# KiCad board ZVE.kicad_pcb (continued)
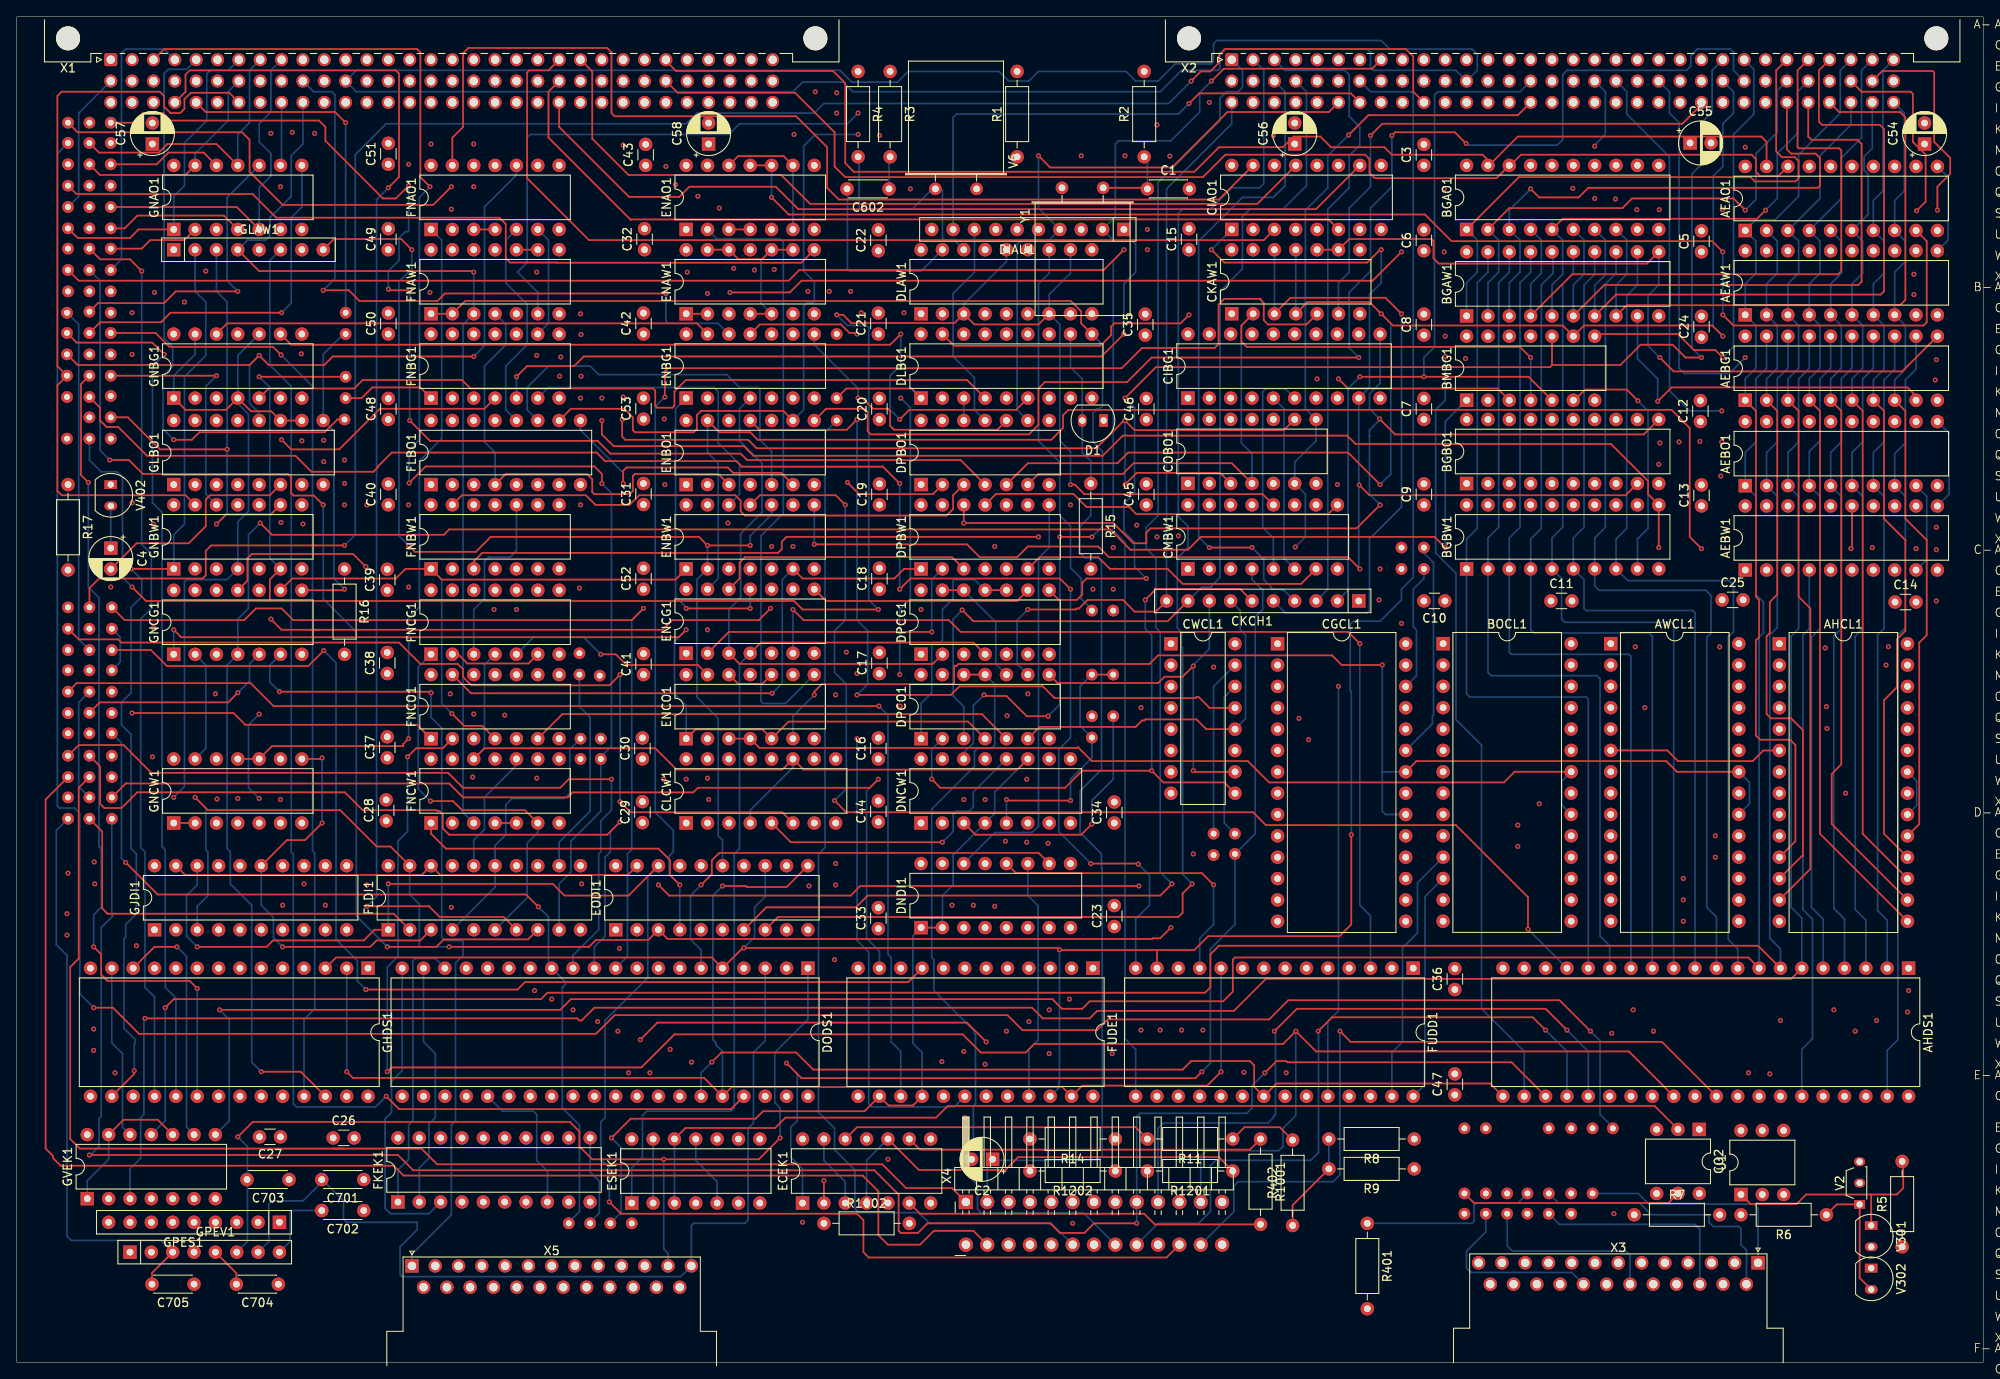
[diagram p0: board, top side]
## Routing (per net, layer and track width the routed paths; a pad name or vN(x,y) marks a point on that pad's centre or on a via; arc(x,y) is an arc through that point) (continued)
ALE: length 266.2
  Top w0.2: v1(38.99,91.96) 38.86,91.83 GNCG1.8 ; v1(195.33,96.91) BGBW1.11 194.06,103.26 194.06,104.82 189.64,109.23 159.26,109.23 158.26,110.23 131.57,110.23 129.18,107.83 87.63,107.83 86.49,108.98 70.99,108.98 69.6,110.37 v1(69.6,112.02)
  In1.Cu w0.2: FNAW1.5 60.71,123.45 60.71,114.06 61.34,113.42 68.2,113.42 v1(69.6,112.02)
  In4.Cu w0.2: v1(195.33,96.91) 197.49,96.91 198.88,95.51 201.68,95.51 202.95,96.78 215.52,96.78 217.93,99.2 225.81,99.2 AEBW1.11 ; FNAW1.5 58.29,123.58 40.39,123.58 X741.1
  Bottom w0.2: AEBO1.11 229.87,110.5 229.87,103.26 AEBW1.11 ; 38.86,122.31 36.45,119.9 GLBO1.9 37.72,110.75 37.72,93.23 v1(38.99,91.96)
ALE-X1: length 41.4
  Top w0.2: X1.c5 22.48,148.73 37.85,148.73 v1(39.12,147.46)
  Bottom w0.2: X740.1 v1(39.12,147.46)
BRK-INTR: length 203.4
  In1.Cu w0.2: v1(9.14,39.63) 7.49,41.28 7.49,59.57 4.83,62.24 4.83,108.72 X848.1
  In4.Cu w0.2: v1(9.14,39.63) 21.34,39.63 23.24,37.73 34.54,37.73 36.58,35.7 76.07,35.7 77.34,34.43 92.84,34.43 94.11,35.7 106.55,35.7 107.82,34.43 117.86,34.43 119.13,33.16 134.11,33.16 FUDD1.16
C-PCI: length 133
  In1.Cu w0.2: FUDD1.20 144.78,32.65 144.78,41.41 141.99,44.21 141.99,51.44 143.64,53.1 143.64,64.78 139.45,68.97 134.37,68.97 133.73,69.61 v1(133.73,77.86) ; DLBG1.2 108.84,113.42 101.6,113.42 101.22,113.04 101.22,110.75 99.95,109.48 v1(99.95,81.92)
  In4.Cu w0.2: v1(133.73,77.86) 130.3,77.86 129.67,78.5 121.92,78.5 121.54,78.11 119.13,78.11 118.62,78.62 116.33,78.62 115.82,78.11 107.32,78.11 104.65,80.78 101.73,80.78 100.58,81.92 v1(99.95,81.92)
CLK-TEST: length 84.7
  In1.Cu w0.2: v1(135.64,147.2) 128.65,147.2 127.89,146.44 127.89,134.08 129.29,132.68 129.29,114.18 128.14,113.04 128.14,109.36 129.29,108.21 129.29,91.32 130.43,90.18 S1X1.1
  In4.Cu w0.2: v1(135.64,147.2) 149.48,147.2 X2.c4
CSYN: length 124.1
  Bottom w0.2: X4.a6 123.06,16.52 108.58,16.52 107.32,17.79 100.2,17.79 99.7,18.3 99.7,22.87 97.28,25.28 97.28,27.82 95.38,29.73 95.38,60.46 96.14,61.22 96.14,110.63 X728.1
D: length 723.1
  In1.Cu w1: X2.c12 X2.b12 ; v1(130.3,36.71) 130.3,30.62 132.46,28.46 132.46,24.77 R1201.2 ; v1(164.72,87.89) X718.1 ; v1(103.63,24.14) ECEK1.5
  In4.Cu w1: X1.c12 X1.b12 ; 232.03,87.89 232.03,144.41 228.98,144.41 228.98,149.49 225.17,149.49 225.17,147.33 172.47,147.33 X2.c12 ; 232.03,87.89 v1(164.72,87.89) ; 232.03,87.89 232.03,36.71 v1(130.3,36.71) ; R1201.2 R1202.1 128.65,24.77 118.24,24.77 118.24,26.55 111.25,26.55 111.25,24.14 v1(103.63,24.14) 83.31,24.14 ESEK1.10
  Bottom w0.2: 116.84,153.55 117.98,152.41 120.4,152.41 121.54,153.55 131.95,153.55 133.1,152.41 135.76,152.41 137.8,154.44 142.11,154.44 142.37,154.7 142.37,156.85 142.75,157.24 162.31,157.24 163.32,156.22 173.1,156.22 173.74,155.58 173.74,153.68 X2.b12 171.2,153.68 161.42,153.68 161.04,154.06 161.04,155.84 160.65,156.22 143.64,156.22 143.13,155.71 143.13,153.93 142.88,153.68 138.56,153.68 136.02,151.14 99.44,151.14 98.3,152.28 93.47,152.28 92.33,151.14 40.39,151.14 X1.b12 40.39,153.68 97.92,153.68 99.31,152.28 104.77,152.28 106.05,153.55 116.84,153.55
DB0: length 356.1
  Top w0.2: X2.a27 209.3,153.68 209.3,144.03 209.97,143.35 211.5,143.35 211.96,142.88 211.96,140.85 211.58,140.47 206.76,140.47 206.25,140.98 178.69,140.98 BGAO1.1
  In1.Cu w0.2: BGAW1.1 169.29,124.47 168.49,123.66 168.49,61.27 BOCL1.11 ; v1(80.26,35.7) 80.26,35.82 78.87,34.43 DODS1.34 ; v1(111.25,54.37) 111.38,54.24 111.38,48.02 FUDE1.8 110.24,35.95 v1(110.05,35.76)
  In4.Cu w0.2: v1(110.05,35.76) 108.84,36.97 81.53,36.97 v1(80.26,35.7) 77.09,35.7 76.33,36.46 37.21,36.46 35.31,38.36 24.13,38.36 16.38,46.11 GHDS1.11 ; v1(111.25,54.37) 113.03,56.14 127.25,56.14 129.29,58.18 135.13,58.18 136.14,59.19 147.45,59.19 148.33,60.07 CGCL1.11 155.71,60.07 156.97,58.81 166.5,58.81 167.76,60.07 170.3,60.07
  Bottom w0.2: FUDD1.27 163.58,36.84 164.85,38.11 164.85,49.29 166.62,51.06 166.62,57.03 BOCL1.11 ; BGAW1.1 172.47,128.41 173.74,129.68 173.74,133.49 BGAO1.1
DB1: length 344.6
  Top w0.2: BGAO1.2 177.55,137.3 191.01,137.3 192.15,138.44 204.22,138.44 v1(205.61,137.04)
  In1.Cu w0.2: v1(112.65,36.97) 112.78,37.09 FUDE1.7 113.92,48.02 113.92,54.24 v1(113.79,54.37) ; DODS1.33 76.33,35.82 v1(77.72,37.22) ; v1(169.93,122.06) 171.07,120.91 171.07,118.88 169.93,117.74 169.93,98.94 171.2,97.67 171.2,59.06 BOCL1.12
  In4.Cu w0.2: 170.3,57.53 167.76,57.53 166.5,56.27 156.97,56.27 155.71,57.53 CGCL1.12 148.33,57.53 146.43,55.64 146.43,55.51 114.93,55.51 v1(113.79,54.37) ; v1(112.65,36.97) 111.38,38.24 78.61,38.24 77.85,37.47 77.85,37.35 v1(77.72,37.22) 37.85,37.22 36.19,38.87 24.89,38.87 18.92,44.84 GHDS1.10 ; v1(169.93,122.06) 171.2,123.33 173.86,123.33 BGAW1.2
  Bottom w0.2: BGAO1.2 176.28,133.49 176.28,129.68 175.01,128.41 BGAW1.2 ; BOCL1.12 167.51,55.38 167.51,33.03 FUDD1.28 ; v1(205.61,137.04) 206.88,138.31 206.88,143.77 209.42,146.31 209.42,151.27 X2.b27
DB2: length 331.4
  Top w0.2: X2.c27 210.57,144.28 211.07,143.77 214,143.77 214.5,143.27 214.5,139.96 214.25,139.71 186.94,139.71 185.8,138.57 181.1,138.57 v1(180.09,139.58) ; v1(74.17,38.36) 76.2,40.4 113.03,40.4 v1(115.32,38.11)
  In1.Cu w0.2: v1(116.33,54.24) 116.46,54.11 116.46,48.02 FUDE1.6 v1(115.32,38.11) ; DODS1.32 73.79,37.98 v1(74.17,38.36) ; FUDD1.1 166.12,51.44 BOCL1.13 173.74,59.06 173.74,97.8 171.37,100.17 171.37,117.06 171.2,117.23 171.2,117.48 172.34,118.63 v1(172.34,119.39)
  In4.Cu w0.2: GHDS1.9 28.83,39.51 36.83,39.51 37.97,38.36 v1(74.17,38.36) ; v1(116.33,54.24) 126.49,54.24 127.76,52.97 146.18,52.97 148.2,54.99 CGCL1.13 155.06,54.99 155.07,55 155.7,55 156.97,53.73 166.5,53.73 167.77,55 167.78,54.99 170.3,54.99 ; BGAW1.3 176.28,123.2 176.28,119.9 175.77,119.39 v1(172.34,119.39)
  Bottom w0.2: v1(180.09,139.58) 177.55,137.04 BGAO1.3 178.82,133.49 178.82,129.68 177.55,128.41 BGAW1.3
DB3: length 371.8
  Top w0.2: BGAW1.4 185.04,129.42 216.66,129.42 217.04,129.8 217.04,144.15 216.79,144.41 211.96,144.41 211.84,144.54 211.84,153.68 X2.a28
  In1.Cu w0.2: v1(117.73,39.38) 117.86,39.51 FUDE1.5 ; CGCL1.15 163.58,50.8 FUDD1.2 ; v1(195.33,106.82) 196.6,105.55 196.6,54.11 v1(198.25,52.46) ; DODS1.31 71.25,39.13 v1(71.5,39.38)
  In4.Cu w0.2: CGCL1.15 166.49,52.45 167.77,53.73 174.75,53.73 176.03,52.45 186.81,52.45 188.09,53.73 195.07,53.73 196.34,52.46 v1(198.25,52.46) ; v1(195.33,106.82) 194.06,108.09 194.06,115.33 193.68,115.71 181.74,115.71 181.36,116.09 181.36,123.2 BGAW1.4 ; FUDD1.2 160.02,43.32 128.4,43.32 127.89,42.81 127.89,40.27 127,39.38 v1(117.73,39.38) v1(71.5,39.38) 38.23,39.38 37.59,40.01 30.86,40.01 GHDS1.8
  Bottom w0.2: BGAO1.4 181.36,133.49 181.36,129.55 180.09,128.28 BGAW1.4
DB4: length 338.1
  Top w0.2: BGAO1.5 183.9,136.03 207.01,136.03 v1(208.03,137.04)
  In1.Cu w0.2: v1(69.09,40.52) 68.71,40.14 DODS1.30 ; CGCL1.16 164.07,54.99 FUDD1.5 ; v1(120.4,40.52) FUDE1.4 ; v1(195.45,109.36) 197.65,107.16 197.65,55.6 v1(198.25,55)
  In4.Cu w0.2: FUDD1.5 153.54,44.46 128.27,44.46 127.25,43.44 127.25,41.28 126.49,40.52 v1(120.4,40.52) v1(69.09,40.52) 32.89,40.52 GHDS1.7 ; BGAW1.5 183.77,123.33 183.77,117.36 184.15,116.98 196.21,116.98 196.43,116.77 196.43,110.33 v1(195.45,109.36) ; v1(198.25,55) 196.34,55 195.07,56.27 188.09,56.27 186.81,54.99 176.03,54.99 174.75,56.27 167.77,56.27 166.49,54.99 CGCL1.16
  Bottom w0.2: X2.b28 211.84,151.14 211.84,146.19 209.42,143.77 209.42,138.44 v1(208.03,137.04) ; BGAW1.5 182.63,128.15 183.9,129.42 183.9,133.49 BGAO1.5
DB5: length 349.7
  Top w0.2: X2.c28 213.11,145.81 213.49,145.42 218.95,145.42 219.46,144.92 219.46,128.53 219.07,128.15 188.85,128.15 BGAW1.6
  In1.Cu w0.2: v1(122.81,41.92) 122.94,42.05 FUDE1.3 ; v1(198.25,57.54) 198.75,58.05 198.75,108.47 v1(197.74,109.48) ; v1(66.17,41.92) DODS1.29 ; FUDD1.6 164.07,57.53 CGCL1.17
  In4.Cu w0.2: v1(198.25,57.54) 196.34,57.54 195.07,58.81 188.09,58.81 186.81,57.53 176.03,57.53 174.75,58.81 167.77,58.81 166.49,57.53 CGCL1.17 ; FUDD1.6 152.32,45.77 128.19,45.77 126.49,44.08 126.49,41.92 v1(122.81,41.92) v1(66.17,41.92) 34.04,41.92 GHDS1.6 ; BGAW1.6 186.31,123.33 186.31,118.75 186.94,118.12 197.36,118.12 197.74,117.74 v1(197.74,109.48)
  Bottom w0.2: BGAO1.6 186.44,133.49 186.44,129.42 185.17,128.15 BGAW1.6
DB6: length 355.5
  Top w0.2: X2.a29 214.38,153.68 214.38,147.58 214.76,147.2 221.62,147.2 222.12,146.69 222.12,127.39 221.74,127.01 190.25,127.01 BGAW1.7
  In1.Cu w0.2: v1(202.06,60.08) 200.41,61.73 200.41,93.1 201.55,94.24 201.55,108.21 v1(200.22,109.55) ; FUDE1.2 125.48,43.44 v1(125.22,43.19) ; v1(63.63,43.19) DODS1.28 ; CGCL1.18 164.07,60.07 FUDD1.7
  In4.Cu w0.2: v1(125.22,43.19) v1(63.63,43.19) 35.31,43.19 GHDS1.5 ; FUDE1.2 125.48,48.78 125.86,49.16 148.59,49.16 FUDD1.7 ; CGCL1.18 166.49,60.07 167.77,61.35 174.75,61.35 176.03,60.07 186.81,60.07 188.09,61.35 195.07,61.35 196.34,60.08 v1(202.06,60.08) ; v1(200.22,109.55) 199.14,110.63 199.14,120.41 198.75,120.79 191.39,120.79 BGAW1.7
  Bottom w0.2: BGAO1.7 188.98,133.49 188.98,129.36 187.71,128.09 BGAW1.7
DB7: length 344.6
  Top w0.2: BGAW1.8 191.52,125.74 224.03,125.74 224.66,126.37 224.66,148.09 224.03,148.73 216.79,148.73 X2.c29
  In1.Cu w0.2: v1(202.06,62.62) 203.58,64.14 203.58,86.62 204.22,87.26 204.22,108.09 v1(202.82,109.48) ; v1(61.59,44.21) 61.09,43.7 DODS1.27 ; FUDD1.8 164.07,62.61 CGCL1.19
  In4.Cu w0.2: CGCL1.19 166.49,62.61 167.77,63.89 174.75,63.89 176.03,62.61 186.81,62.61 188.09,63.89 195.07,63.89 196.34,62.62 v1(202.06,62.62) ; 128.27,46.87 129.54,48.14 147.07,48.14 FUDD1.8 ; FUDE1.1 125.35,44.21 v1(61.59,44.21) 44.58,44.21 43.05,45.73 35.31,45.73 GHDS1.4 ; v1(202.82,109.48) 201.68,110.63 201.68,122.82 201.17,123.33 191.39,123.33 BGAW1.8
  Bottom w0.2: BGAO1.8 191.52,133.49 191.52,129.42 190.25,128.15 BGAW1.8
DB8: length 130.6
  Top w0.2: AEBG1.1 206.88,113.17 206.88,91.07 207.26,90.69 207.26,86.24 206.88,85.86 206.88,74.56 207.39,74.05 210.95,74.05 211.58,73.42 211.58,61.98 AHCL1.11
  In4.Cu w0.2: 189.35,60.07 195.08,60.07 196.34,58.81 206.5,58.81 207.77,60.08 207.78,60.07 AHCL1.11
  Bottom w0.2: X2.a30 216.92,153.68 216.92,148.6 211.96,143.65 211.96,138.69 209.17,135.9 206.88,135.9 AEAO1.1 206.88,133.36 206.88,129.55 205.61,128.28 AEAW1.1 206.88,123.33 206.88,118.25 205.61,116.98 AEBG1.1
DB9: length 147.9
  Top w0.2: AEBG1.2 209.42,113.17 209.42,91.32 208.53,90.43 208.53,86.75 208.15,86.37 208.15,77.1 208.66,76.59 211.07,76.59 212.47,75.19 212.47,60.21 212.47,60.2 212.34,60.2 AHCL1.12 ; v1(226,136.98) 227.08,138.06 227.08,143.65 225.55,145.17 225.55,150.89 225.3,151.14 219.46,151.14 X2.b30
  In4.Cu w0.2: AHCL1.12 207.78,57.53 207.77,57.54 206.5,56.27 196.34,56.27 195.08,57.53 189.35,57.53 ; AEAO1.2 210.5,136.98 v1(226,136.98)
  Bottom w0.2: AEBG1.2 208.15,116.98 209.42,118.25 209.42,123.33 AEAW1.2 208.15,128.28 209.42,129.55 209.42,133.36 AEAO1.2
DB-DIR: length 310.9
  Top w0.2: BGAW1.11 193.93,130.69 169.16,130.69 168.53,131.33 168.53,133.36 168.27,133.61 158.5,133.61 CKAW1.9 CKAW1.10 ; v1(195.45,119.52) 197.1,117.87 224.28,117.87 228.73,122.31
  In1.Cu w0.2: v1(149.48,145.93) 150.88,144.54 150.88,140.85 153.42,138.31 153.42,133.61 CKAW1.10 ; v1(102.62,145.93) 104.77,145.93 105.16,145.55 105.16,127.39 106.3,126.25 106.3,123.96 105.79,123.45 101.98,123.45 ; 101.98,123.45 101.81,123.62 84.03,123.62 83.57,124.09 83.57,125.74 v1(82.17,127.14) ; 101.98,123.45 101.85,123.45 ; v1(49.15,127.26) 50.55,125.87 50.55,98.94 53.21,96.28 53.21,90.94 48.01,85.73 48.01,79.38 50.55,76.84 50.55,69.99 51.82,68.72 FNCW1.2
  In4.Cu w0.2: v1(82.17,127.14) 79.63,127.14 77.98,128.79 75.06,128.79 73.41,127.14 49.28,127.14 v1(49.15,127.26) ; v1(149.48,145.93) v1(102.62,145.93)
  Bottom w0.2: v1(195.45,119.52) 194.06,120.91 194.06,126.88 195.33,128.15 BGAW1.11
DBA: length 124.1
  Top w0.2: AEBG1.3 211.96,113.17 211.96,91.07 213.36,89.67 213.36,58.68 AHCL1.13
  In4.Cu w0.2: AHCL1.13 207.78,54.99 207.77,55 206.5,53.73 196.34,53.73 195.07,55 195.06,54.99 189.35,54.99
  Bottom w0.2: X2.c30 218.19,147.2 214.5,143.52 214.5,138.44 AEAO1.3 211.96,133.36 211.96,129.55 210.69,128.28 AEAW1.3 211.96,123.33 211.96,118.25 210.69,116.98 AEBG1.3
DBB: length 133.9
  Top w0.2: AHCL1.15 214.5,62.86 214.5,113.17 AEBG1.4
  In4.Cu w0.2: 204.59,52.45 205.86,52.45 205.87,52.46 206.5,52.46 207.77,53.73 214.12,53.73 215.4,52.45 AHCL1.15
  Bottom w0.2: AEBG1.4 213.23,116.98 214.5,118.25 214.5,123.33 AEAW1.4 213.23,128.28 214.5,129.55 214.5,133.36 AEAO1.4 217.04,138.44 217.04,143.27 219.46,145.68 219.46,153.68 X2.a31
DBC: length 147.3
  Top w0.2: X2.b31 221.92,153.61 227.91,153.61 228.09,153.43 228.09,145.17 230,143.27 230,141.36 228.47,139.84 v1(228.47,137.04) ; AHCL1.16 217.04,62.86 217.04,62.87 215.9,64.02 215.9,69.99 217.04,71.13 217.04,113.17 AEBG1.5
  In4.Cu w0.2: AEAO1.5 216.92,135.77 227.2,135.77 v1(228.47,137.04) ; AHCL1.16 215.4,54.99 214.12,56.27 207.77,56.27 206.49,54.99 204.59,54.99
  Bottom w0.2: AEAO1.5 217.04,133.36 217.04,129.55 215.77,128.28 AEAW1.5 217.04,123.33 217.04,118.25 215.77,116.98 AEBG1.5
DBD: length 119.9
  Top w0.2: AHCL1.17 219.58,62.86 219.58,113.17 AEBG1.6
  In4.Cu w0.2: AHCL1.17 216.04,57.53 216.03,57.54 215.39,57.54 214.12,58.81 207.77,58.81 206.49,57.53 204.59,57.53
  Bottom w0.2: X2.c31 220.73,144.41 219.75,143.44 219.75,141.79 220.22,141.33 220.22,136.53 AEAO1.6 219.58,133.36 219.58,129.55 218.31,128.28 AEAW1.6 219.58,123.33 219.58,118.25 218.31,116.98 AEBG1.6
DBE: length 123.1
  Top w0.2: AEBG1.7 222.12,113.17 222.12,100.34 224.66,97.8 224.66,87 223.65,85.99 223.65,80.27 222.12,78.75 222.12,62.86 AHCL1.18
  In4.Cu w0.2: AHCL1.18 215.4,60.07 214.12,61.35 207.77,61.35 206.49,60.07 204.59,60.07
  Bottom w0.2: X2.a32 222,153.68 222,139.33 220.85,138.19 AEAO1.7 222.12,133.36 222.12,129.55 220.85,128.28 AEAW1.7 222.12,123.33 222.12,118.12 220.85,116.85 AEBG1.7
DBF: length 114.3
  Top w0.2: AHCL1.19 226.31,64.01 226.31,85.61 227.2,86.5 227.2,97.8 224.66,100.34 224.66,113.17 AEBG1.8
  In4.Cu w0.2: AHCL1.19 215.4,62.61 214.12,63.89 207.77,63.89 206.49,62.61 204.59,62.61
  Bottom w0.2: X2.c32 224.54,148.6 224.54,139.33 223.39,138.19 AEAO1.8 224.66,133.36 224.66,130.95 223.39,129.68 AEAW1.8 224.66,123.33 224.66,118.12 223.39,116.85 AEBG1.8
ED-X13: length 12.2
  In1.Cu w0.2: W101A1.1 178.05,16.01 178.05,11.06 177.55,10.55 175.17,10.55 X3.13
ED-X14: length 31.9
  Bottom w0.2: X3.14 205.75,13.33 205.11,13.98 205.11,15.88 204.85,16.14 201.8,16.14 201.3,16.65 201.3,17.41 201.17,17.54 194.44,17.54 193.04,18.93 183.39,18.93 X707.1
ED-X16: length 25.3
  Bottom w0.2: X708.1 183.51,16.39 199.64,16.39 200.21,15.82 200.21,9.28
ED-X24: length 13.4
  In1.Cu w0.2: X705.1 183.64,16.39 183.64,11.13 183.06,10.55 179.32,10.55 178.05,9.28
EFI: length 125.5
  In1.Cu w0.2: 121.54,123.58 DIAU1.5 ; 121.54,123.58 119,123.58 DLBG1.14 ; 121.54,123.58 121.54,119.14 119.17,116.77 119.17,98.01 120.9,96.28 122.46,96.28 123.95,94.78 123.95,88.02 123.89,87.96 123.95,87.89 123.95,51.19 125.22,49.92 125.22,48.65 124.21,47.63 124.21,20.46 125.6,19.06
H1: length 420.3
  Top w0.2: v1(91.57,35.57) 93.34,33.79 140.21,33.79 v1(140.97,34.55) ; 30.1,90.56 92.46,90.56 93.47,89.54 v1(102.49,89.54) ; 30.1,90.56 15.37,90.56 v1(13.72,92.21) ; 30.1,90.56 30.1,93.11 GNBW1.6 ; v1(125.35,104.4) 125.86,104.4 127,103.26 148.21,103.26 CMBW1.12 ; X742.1 v1(28.83,117.23) ; v1(97.54,124.6) 98.3,124.6 99.27,123.62 111.55,123.62 DLAW1.3 113.92,123.45 121.54,123.45 DLAW1.7
  In1.Cu w0.2: CMBW1.12 149.48,96.91 CMBW1.4
  Bottom w0.2: v1(28.83,117.23) 30.1,115.96 30.1,95.65 GNBW1.6 ; CMBW1.4 146.94,93.1 148.21,91.83 148.21,89.54 147.32,88.66 147.32,62.87 X721.1 144.91,52.08 141.99,49.16 141.99,35.57 v1(140.97,34.55) ; v1(102.49,89.54) 101.35,90.69 101.35,123.07 101.09,123.33 98.81,123.33 v1(97.54,124.6) ; ECEK1.1 93.47,23 92.08,24.39 92.08,27.95 92.84,28.71 92.84,34.3 v1(91.57,35.57) ; DLAW1.3 112.65,125.87 117.73,130.95 DLAW1.14 ; DLAW1.11 125.35,129.55 122.81,127.01 DLAW1.7 124.08,123.45 124.08,109.61 125.35,108.34 v1(125.35,104.4) ; X832.1 8.64,107.32 10.03,105.93 11.94,105.93 12.57,105.29 12.57,93.35 v1(13.72,92.21)
H2: length 191.1
  Top w0.2: DNCW1.11 119,70.49 93.6,70.49 CLCW1.11 91.06,70.49 78.49,70.49 75.95,73.03 55.63,73.03 FNCW1.12 ; v1(70.74,26.68) 73.03,28.97 87.88,28.97 88.77,29.85 100.84,29.85 FUDE1.14 103.72,30.53 106.6,30.53 FUDE1.16 ; DNDI1.1 DNDI1.2
  Bottom w0.2: CLCW1.11 92.33,70.75 87.25,65.67 CLCW1.4 ; DNDI1.2 110.11,55.51 111.38,56.78 111.38,60.33 DNCW1.4 116.33,65.29 116.33,67.83 DNCW1.11 ; X730.1 71.88,17.79 71.88,25.54 v1(70.74,26.68) ; FUDE1.16 107.7,36.84 106.6,37.94 106.6,50.73 DNDI1.1 ; FNCG1.4 55.63,82.95 55.63,73.03 FNCW1.12
H3: length 187.4
  Top w0.2: X922.1 10.16,63.13 10.16,53.98 10.8,53.35 44.83,53.35 FLDI1.2 ; GLBO1.10 GLBO1.11 30.27,113.12 27.86,113.12 GNBG1.4 24.89,113.29 20.07,113.29 GNBG1.1
  In4.Cu w0.2: FLDI1.2 47.84,52.54 50.72,52.54 FLDI1.4 ; X922.1 9.91,65.92 13.72,65.92 15,67.21 18.65,67.21 v1(18.67,67.19)
  Bottom w0.2: GNBG1.10 26.29,119.77 GNBG1.4 ; GNBG1.13 21.21,119.9 18.67,117.36 GNBG1.1 ; FLDI1.4 56.9,56.52 FLDI1.15 56.9,61.48 58.17,62.75 58.17,66.3 58.93,67.07 65.15,67.07 65.79,67.7 65.79,72.91 X738.1 ; v1(18.67,67.19) 19.94,68.46 19.94,92.85 20.19,93.1 25.01,93.1 GNBW1.4 26.29,99.96 27.56,101.23 27.56,112.79 26.29,114.06
INIT: length 179.9
  Top w0.2: v1(115.06,79.38) 115.19,79.26 117.73,79.26 120.14,76.84 v1(122.68,76.84) ; v1(127.89,98.18) v1(124.08,98.18) ; FNAW1.1 FNAW1.2 53.34,126.25 125.38,126.25 126.62,125.01 126.62,123.58 DLBG1.10
  In4.Cu w0.2: CLCW1.14 85.85,70.62 111.51,70.62 DNCW1.14
  Bottom w0.2: v1(122.68,76.84) 124.08,78.24 v1(124.08,98.18) ; DNCW1.14 112.65,72.53 113.79,73.67 113.79,78.11 v1(115.06,79.38) ; DLBG1.10 129.16,121.04 129.16,113.8 128.78,113.42 128.52,113.42 128.02,112.91 128.02,109.48 129.16,108.34 129.16,99.45 v1(127.89,98.18)
INTR: length 180.3
  In1.Cu w0.2: AHDS1.18 169.42,34.43 v1(151,34.43)
  In4.Cu w0.2: v1(151,34.43) 149.99,33.41 142.11,33.41 141.99,33.28 141.99,30.87 141.61,30.49 105.03,30.49 103.25,28.71 75.44,28.71 74.93,28.2 14.35,28.2 13.84,28.71 GHDS1.17
MINT: length 302.9
  Top w0.2: v1(187.2,39.38) 183.51,43.06 151.26,43.06 148.97,40.78 129.79,40.78 128.52,39.51 119.63,39.51 117.86,41.28 71.12,41.28 68.9,39.06 14.54,39.06 11.43,42.17 v1(9.14,42.17)
  Bottom w0.2: 189.99,27.82 188.34,29.47 188.34,38.24 v1(187.2,39.38) ; X834.1 4.83,143.77 4.83,66.18 5.08,65.92 6.86,65.92 7.49,65.29 7.49,43.82 v1(9.14,42.17)
NMI-MASK: length 221.4
  Top w0.2: v1(139.7,152.41) 140.84,153.55 141.99,153.55 143,154.57 143,155.46 143.76,156.22 165.23,156.22 166.12,155.33 166.12,151.14 X2.c10 ; X912.1 8.64,92.08 9.78,93.23 22.1,93.23 22.48,93.61 22.48,96.53 23.11,97.16 v1(38.99,97.16)
  Bottom w0.2: v1(38.99,97.16) 40.26,98.43 40.26,143.65 43.94,147.33 79.63,147.33 80.9,148.6 94.87,148.6 96.01,149.74 137.03,149.74 v1(139.7,152.41)
OSC: length 60.7
  In1.Cu w0.2: DLBG1.12 123.95,123.45 123.95,132.98 125.35,134.38 125.35,135.01 125.38,135.04 125.38,147.24 127,148.85 136.02,148.85 136.65,149.49 136.65,153.3 137.03,153.68 153.42,153.68 X2.a5
PB-INTR: length 57.5
  In1.Cu w0.2: X809.1 12.45,126.12 12.45,93.48 v1(11.18,92.21)
  In4.Cu w0.2: v1(11.18,92.21) 5.71,92.21 4.95,91.45 4.95,78.37 X928.1
PBUSY: length 120.8
  Top w0.2: C704.2 26.11,10.6 GPEV1.5
  In1.Cu w0.2: v1(71.69,49.22) 69.98,47.51 69.98,29.6 71.88,27.7 71.88,23.38 74.42,20.84 74.42,11.74
  In4.Cu w0.2: DODS1.4 84.07,49.29 71.75,49.29 v1(71.69,49.22) ; X5.11 74.71,4.61 74.3,4.2 27.05,4.2 26.16,5.09 26.16,9.28
PDAT1: length 63.1
  In1.Cu w0.2: X5.2 51.82,13.49 51.82,20.96 47.88,24.9 FKEK1.19
  In4.Cu w0.2: FKEK1.19 46.74,25.54 12.45,25.54 12.19,25.28 12.19,17.92 10.92,16.65
PDAT2: length 62.6
  In1.Cu w0.2: FKEK1.18 50.42,25.03 54.23,21.22 54.23,13.14 X5.3
  In4.Cu w0.2: 13.46,16.65 14.73,17.92 14.73,24.65 14.99,24.9 48.64,24.9 FKEK1.18
PDAT3: length 62.1
  In1.Cu w0.2: X5.4 56.77,12.91 56.77,21.09 52.96,24.9 FKEK1.17
  In4.Cu w0.2: 16,16.65 17.27,17.92 17.27,24.01 17.53,24.27 50.55,24.27 FKEK1.17
PDAT4: length 61.6
  In1.Cu w0.2: X5.5 59.31,12.68 59.31,20.96 55.5,24.77 FKEK1.16
  In4.Cu w0.2: GPES1.6 19.81,17.92 19.81,23.38 20.07,23.63 52.45,23.63 FKEK1.16
PDAT5: length 61.2
  In1.Cu w0.2: X5.6 61.85,12.45 61.85,20.96 58.04,24.77 FKEK1.15
  In4.Cu w0.2: 21.08,16.65 22.35,17.92 22.35,22.74 22.61,23 54.36,23 FKEK1.15
PDAT6: length 58.8
  In1.Cu w0.2: X5.7 64.39,12.22 64.39,21.09 60.58,24.9 FKEK1.14
  In4.Cu w0.2: FKEK1.14 56.26,22.36 43.56,22.36 43.05,21.85 43.05,20.84 42.67,20.46 27.43,20.46 GPES1.4
PDAT7: length 58.7
  In1.Cu w0.2: FKEK1.13 63.12,24.9 66.93,21.09 66.93,11.99 X5.8
  In4.Cu w0.2: FKEK1.13 58.17,21.73 44.07,21.73 43.56,21.22 43.56,20.33 43.18,19.95 29.46,19.95 26.16,16.65
PDAT8: length 58.5
  In1.Cu w0.2: X5.9 69.17,15.33 69.47,15.63 69.47,21.09 65.66,24.9 FKEK1.12
  In4.Cu w0.2: FKEK1.12 60.07,21.09 44.7,21.09 44.2,20.58 44.2,19.82 43.81,19.44 31.5,19.44 GPES1.2
PE: length 118.9
  Top w0.2: v1(26.29,26.81) 28.07,28.58 65.79,28.58 66.93,27.44 66.93,25.66 68.45,24.14 v1(76.96,24.14) 88.27,24.14 v1(90.8,26.68)
  Bottom w0.2: GPEV1.6 27.43,14.36 27.43,25.66 v1(26.29,26.81) ; v1(76.96,24.14) 76.96,13.47 77.48,12.96 X5.12 ; DODS1.1 94.11,40.78 90.17,36.84 90.17,30.87 90.8,30.24 v1(90.8,26.68)
QS0: length 79.3
  Top w0.2: v1(149.61,39.38) 152.27,42.05 181.86,42.05 v1(184.4,39.51)
  Bottom w0.2: v1(149.61,39.38) 149.73,39.25 149.73,29.47 149.48,29.22 149.48,29.09 148.84,28.46 136.4,28.46 135.76,27.82 135.76,19.06 ; v1(184.4,39.51) 186.94,36.97 AHDS1.25
QS1: length 81.1
  Top w0.2: v1(154.81,39.38) 156.46,41.03 180.34,41.03 v1(181.86,39.51)
  Bottom w0.2: X4.a9 135.76,16.52 140.59,16.52 141.99,17.92 141.99,23.38 142.62,24.01 153.92,24.01 154.86,24.94 154.86,39.34 v1(154.81,39.38) ; v1(181.86,39.51) 184.4,36.97 AHDS1.24
READY: length 181.1
  In1.Cu w0.2: X2.c5 154.69,147.2 155.96,145.93 155.96,118.25 v1(154.69,116.98)
  In4.Cu w0.2: 170.05,119.52 163.45,119.52 162.18,118.25 155.96,118.25 v1(154.69,116.98) 153.67,115.96 119,115.96 DLBG1.5
  Bottom w0.2: AHDS1.22 179.32,36.97 174.24,42.05 174.24,73.42 171.2,76.46 171.2,93.86 168.78,96.28 168.78,113.29 169.93,114.44 v1(169.93,119.64)
RESET: length 164.6
  Top w0.2: AHDS1.21 175.26,33.16 149.86,33.16 FUDD1.21 147.19,32.78 147.19,35.32 146.69,35.82 139.7,35.82 138.68,34.81 94.74,34.81 92.71,36.84 83.82,36.84 v1(82.68,35.7) ; FNCW1.4 FNCW1.5
  In1.Cu w0.2: v1(82.3,66.94) 81.03,65.67 81.03,61.86 80.26,61.1 80.26,38.11 v1(82.68,35.7)
  In4.Cu w0.2: v1(82.3,66.94) 78.61,66.94 77.22,65.54 60.83,65.54 FNCW1.5
  Bottom w0.2: v1(82.68,35.7) 81.41,34.43 DODS1.35
RQ/GTO: length 86.9
  Top w0.2: v1(157.4,39.38) 158.67,38.11 195.71,38.11 202.18,31.63
  Bottom w0.2: X4.a12 144.78,17.92 144.78,20.96 145.29,21.47 156.59,21.47 157.4,22.28 v1(157.4,39.38)
SB-DA-DIR: length 93.8
  In1.Cu w0.2: v1(205.61,144.54) 204.22,143.14 204.22,138.44 v1(202.88,137.11) ; BGAO1.11 195.33,137.17 v1(195.39,137.11)
  In4.Cu w0.2: CKAW1.8 160.78,133.36 163.58,133.36 166.12,135.9 194.18,135.9 v1(195.39,137.11) v1(202.88,137.11) ; AEAO1.11 227.33,143.39 224.79,143.39 223.65,144.54 v1(205.61,144.54)
  Bottom w0.2: AEAO1.11 229.74,140.98 229.74,133.49 AEAW1.11
SB-INTR-OUT: length 104.9
  Top w0.2: FNAW1.9 FNAW1.10
  In1.Cu w0.2: X908.1 12.57,73.42 12.57,78.5 15.24,81.16 15.24,126.12 v1(16.38,127.26)
  In4.Cu w0.2: v1(16.38,127.26) 23.88,127.26 26.42,129.8 51.94,129.8 53.34,131.2 58.29,131.2 FNAW1.10
SD-X10: length 14
  In1.Cu w0.2: X3.10 180.98,13.05 180.98,18.42 180.59,18.81 176.02,18.81 X710.1
SD-X12: length 7.7
  In1.Cu w0.2: X714.1 176.67,13.21 X3.12
SD-X19: length 22.3
  Bottom w0.2: W102B1.1 177.29,13.85 177.93,13.22 191.39,13.22 191.9,12.7 X3.19
SD-X21: length 22
  Bottom w0.2: 174.75,17.54 174.75,15.5 172.47,13.22 172.47,11.19 172.97,10.68 184.96,10.68 X3.21
SELECT: length 113.3
  Bottom w0.2: GPEV1.7 29.97,14.36 29.97,18.81 30.35,19.19 34.04,19.19 36.45,21.6 38.86,19.19 38.86,17.03 39.24,16.65 47.62,16.65 47.62,15.76 45.59,13.73 45.59,10.42 45.85,10.17 78.96,10.17 X5.13 80.25,16.25 80.52,16.52 86.61,16.52 86.99,16.9 86.99,27.82 87.63,28.46 87.63,36.84 89.03,38.24 DODS1.3
SET-DC-OFF: length 166.6
  Top w0.2: X931.1 3.43,66.94 3.43,25.41 4.32,24.52 4.32,24.27 5.21,23.38 44.83,23.38 46.01,22.2 100.62,22.2 102.49,20.33 102.49,15.12 103.63,13.98 107.44,13.98 109.09,15.63 113.79,15.63 X4.a2
SI-RX-INT: length 191.6
  Top w0.2: v1(127.76,59.32) 133.35,59.32 v1(133.41,59.25) ; v1(125.35,91.96) 124.08,93.23 106.3,93.23 v1(105.03,91.96) ; X830.1 9.91,113.55 9.91,112.02 10.67,111.26 12.06,111.26 15.49,107.83 33.15,107.83 35.05,105.93 42.42,105.93 42.93,106.44 42.93,106.53 44.61,108.21 68.96,108.21 69.98,107.2 85.6,107.2 86.26,106.53 102.97,106.53 103,106.56 v1(105.03,104.53)
  Bottom w0.2: v1(105.03,91.96) v1(105.03,104.53) ; v1(127.76,59.32) 123.95,63.13 123.95,72.91 125.35,74.3 v1(125.35,91.96) ; FUDD1.14 133.1,52.71 134.75,54.37 134.75,57.92 v1(133.41,59.25)
SI-TX-INT: length 230
  Top w0.2: v1(131.7,132.34) 129.29,129.93 93.09,129.93 91.82,128.66 7.37,128.66 X840.1
  Bottom w0.2: v1(131.7,132.34) 130.43,131.07 130.43,98.94 131.83,97.55 131.83,38.49 133.1,37.22 FUDD1.15
T4: length 126.6